# Allegro board MB1219_REVB_160112.brd (continued)
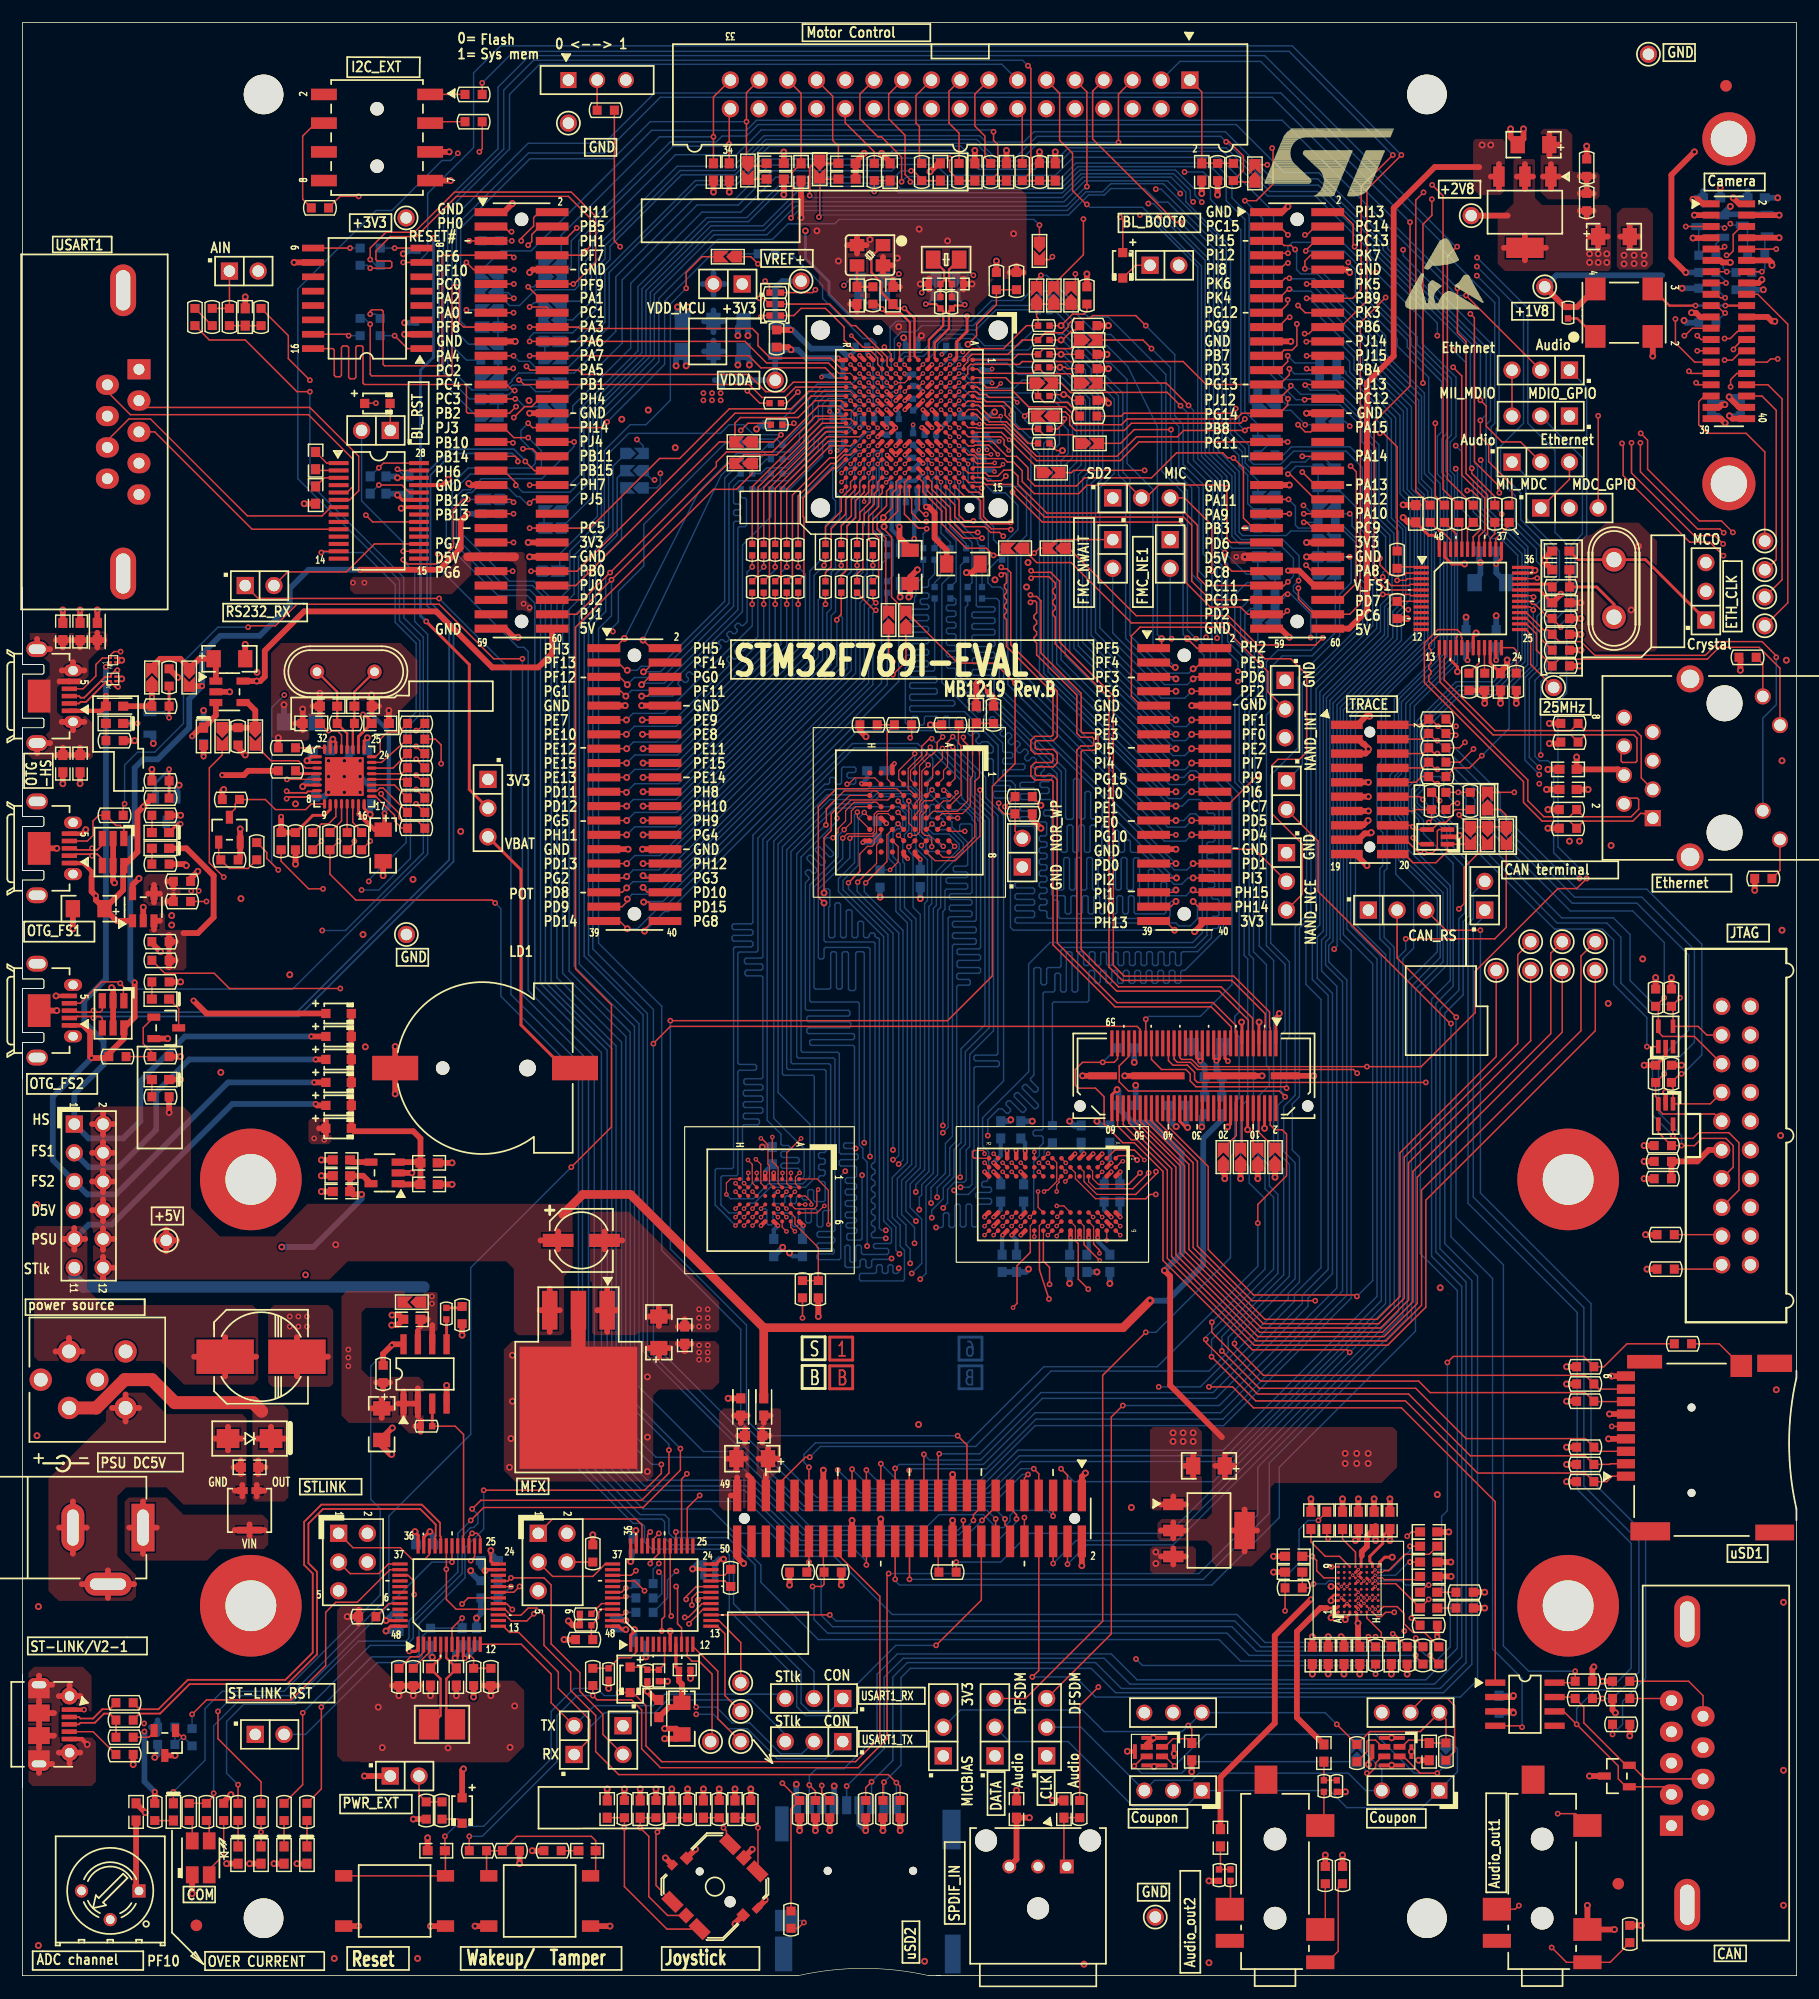
[diagram p0: board, top side]
## Routing (per net, layer and track width the routed paths; a pad name or vN(x,y) marks a point on that pad's centre or on a via; arc(x,y) is an arc through that point) (continued)
NETJP27_2: length 38.3
  TOP w0.127: U21.39 34.09,35.41 34.62,34.87 v1(34.62,33.71) ; JP27.2 35.05,16 R207.1 R208.2
  L4_SIG w0.102: JP27.2 43.31,17.65 45.47,19.81 45.47,26.26 40.92,30.81 37.52,30.81 v1(34.62,33.71)
NETL2_1: length 19.5
  TOP w0.508: SB21.2 v1(11.43,113.06) R82.2 L2.1 ; v1(17.65,106.17) 19.56,106.17 19.94,106.55 R101.2
  L4_SIG w0.508: v1(17.65,106.17) 16.64,106.17 11.43,111.38 v1(11.43,113.06)
NETLD1_2: length 2.3
  TOP w0.127: R216.2 LD1.2
NETLD2_2: length 2.3
  TOP w0.127: LD2.2 R215.2
NETLD3_2: length 2.3
  TOP w0.127: LD3.2 v1(21.08,12.7) R214.2
NETLD4_2: length 2.3
  TOP w0.127: R213.2 LD4.2
NETLD5_1: length 1.5
  TOP w0.127: LD5.1 R94.1
NETLD5_2: length 2.4
  TOP w0.254: LD5.2 v1(10.16,110.74)
  BOTTOM w0.254: T6.3 v1(10.16,110.74)
NETLD6_1: length 2.2
  TOP w0.508: LD6.1 v1(16,107.82)
  BOTTOM w0.508: v1(16,107.82) R288.1
NETLD6_2: length 21.9
  TOP w0.254: U8.10 27.2,103.12 26.69,102.62 25.67,102.62 24.14,101.09 R120.2
  TOP w0.508: v1(22.86,102.49) R119.2 R120.2 ; v1(14.99,109.6) 15.75,110.36 LD6.2 17.09,111.45 U7.3
  L4_SIG w0.508: v1(22.86,102.49) 22.48,102.49 15.37,109.6 v1(14.99,109.6)
NETLD7_1: length 1.5
  TOP w0.127: R116.1 LD7.1
NETLD7_2: length 2.7
  TOP w0.254: v1(13.97,101.85) 13.72,101.85 LD7.2
  BOTTOM w0.254: T7.3 13.84,102.02 13.97,101.9 v1(13.97,101.85)
NETLD8_1: length 1.4
  TOP w0.127: LD8.1 R127.1
NETLD8_2: length 16.8
  TOP w0.508: R131.2 12.95,92.05 ; R131.2 12.95,90.83 ; R131.2 13.55,91.44 ; 11.62,92.51 U11.3 12.14,93.29 ; R132.2 12.95,90.4 ; R132.2 13.55,89.79 ; R132.2 12.95,89.18 ; LD8.2 14.48,99.69 16.89,97.28 16.89,93.6 15.49,92.2 14.22,92.2
NETLD9_1: length 1.5
  TOP w0.127: LD9.1 R133.1
NETLD9_2: length 2.9
  TOP w0.127: T2.3 13.8,85.51 LD9.2
NETLD10_1: length 1.5
  TOP w0.127: LD10.1 R140.1
NETLD11_1: length 1.7
  TOP w0.127: R209.2 LD11.1
NETLD11_2: length 55.6
  TOP w0.127: LD11.2 v1(13.34,16.26)
  TOP w0.508: U17.8 32.72,55.84 v1(32.64,55.75) 31.88,54.99 R152.2
  BOTTOM w0.127: v1(13.34,16.26) 16.13,19.05 16.13,23.62 17.65,25.15 23.11,25.15 31.62,33.66 31.62,41.27 30.78,42.11 30.78,53.9 v1(32.64,55.75)
NETLD12_2: length 2.1
  TOP w0.127: R210.2 15,13.7 LD12.2
NETLD12_3: length 2.1
  TOP w0.127: LD12.3 16.5,13.73 R211.2
NETLD12_4: length 5.3
  TOP w0.127: LD12.4 16.5,9.39 17.78,10.67 R212.1
NETR4_2: length 2.7
  TOP w0.127: R4.2 SW1.2
NETR17_1: length 13.6
  TOP w0.127: v4(83.59,144.27) 84.35,145.03 84.35,146.02 86.11,147.78 R17.1 R18.1 ; v3(81.21,140.09) U4.E5
  L4_SIG w0.102: v3(81.21,140.09) 81.65,140.53 81.65,141.03 81.86,141.24 82.07,141.24 82.45,141.63 82.45,141.83 82.75,142.13 82.96,142.13 83.17,142.34 83.17,142.8 83.54,143.18 83.54,144.22 v4(83.59,144.27)
NETR19_1: length 13.1
  TOP w0.102: U4.K1 76.81,143.41 v1(76.2,144.02)
  TOP w0.127: v1(70.1,149.1) 69.85,148.84 R19.1
  L4_SIG w0.102: v1(76.2,144.02) 76.07,144.15 74.93,144.15 74.3,144.78 74.3,145.41 70.61,149.1 v1(70.1,149.1)
NETR24_1: length 12.6
  TOP w0.127: U4.K2 76.73,142.09 76.44,142.38 76.44,143.14 73.66,145.92 73.28,145.92 71.37,147.83 R24.1
NETR25_1: length 3.1
  TOP w0.203: X3.1 137.47,146.56 R25.1
NETR26_1: length 12.5
  TOP w0.127: U4.L2 75.61,142.49 75.61,143.08 75.04,143.66 73.64,143.66 72.64,144.65 72.64,145.8 70.99,147.45 68.83,147.45 68.2,146.81 R26.1
NETR27_1: length 2.2
  TOP w0.127: R28.2 R27.1
NETR27_2: length 174.7
  TOP w0.127: R27.2 16.51,144.65 19.68,144.65 24.26,140.08 v1(25.4,140.08)
  L4_SIG w0.102: v1(26.49,92.43) 27,91.92 27,86.66 27.18,86.49 27.18,64.14 29.72,61.59 29.72,42.67 31.75,40.64 31.75,33.27 30.73,32.26 30.73,29.46 25.53,24.26 25.53,12.83 23.75,11.05 16.76,11.05 10.61,4.9 10.47,4.9 10.41,4.95 RV1.2
  BOTTOM w0.127: v1(26.49,92.43) 28.55,92.43 35.43,99.31 35.43,118.36 33.71,120.09 33.71,123.65 25.4,131.95 v1(25.4,140.08)
NETR31_1: length 13
  TOP w0.127: U4.B1 83.21,143.13 83.97,143.89 86.74,143.89 88.77,145.92 R31.1 89.79,146.56 89.66,146.69 SB6.2 SB7.2 SB8.2
NETR34_1: length 89.2
  TOP w0.127: 129.41,103.12 SB25.2 130.68,103.12 131.19,102.62 SB28.2 SB27.2 SB26.2 127.03,102.59 v1(127.03,102.67) ; v1(99.31,145.92) 98.42,146.81 94.61,146.81 94.36,146.56 92.99,146.56 92.46,146.02 92.46,145.8 91.95,145.29 90.42,145.29 R34.1 88.39,144.65 87.12,143.38 83.95,143.38 83.58,143.01 83.58,142.73 83.21,142.37 U4.B2
  L4_SIG w0.102: v1(105.61,118.29) 108.71,115.19 108.71,110.62 111,108.33 113.54,108.33 114.05,107.82 118.87,107.82 122.05,104.65 123.83,104.65 125.11,103.37 125.59,103.37 126.39,104.17 127.05,104.17 127.36,103.86 127.36,103 v1(127.03,102.67)
  BOTTOM w0.127: v1(99.31,145.92) 101.88,143.36 101.88,137.95 102.62,137.21 102.62,133.65 104.39,131.88 104.39,125.73 105.61,124.51 v1(105.61,118.29)
NETR35_1: length 10.2
  TOP w0.127: SB9.2 92.71,143.89 90.3,143.89 R35.1 88.01,143.38 87.51,142.89 U4.A1
NETR37_1: length 10.4
  TOP w0.127: SB11.2 92.65,141.67 90.36,141.67 R37.1 89.25,141.7 84.82,141.7 84.43,142.09 U4.A2
NETR39_1: length 11.5
  TOP w0.127: R42.2 93.34,138.05 93.34,138.18 92.39,139.13 90.36,139.13 R39.1 89.79,140.59 SB10.2 87.41,140.84 86.93,141.32 84.04,141.32 U4.A3
NETR41_1: length 10.2
  TOP w0.127: R41.1 67.56,139.06 68.54,140.04 v1(68.55,140.04) ; U4.L3 v3(75.61,141.69)
  L4_SIG w0.102: v3(75.61,141.69) 75.61,141.65 75.23,141.27 71.15,141.27 69.93,140.06 68.57,140.06 v1(68.55,140.04)
NETR42_1: length 44.3
  TOP w0.127: v1(120.27,122.15) 122.66,122.15 122.76,122.04 U6.6 ; v1(107.26,138.58) 106.86,138.18 97.41,138.18 97.16,137.92 R42.1
  BOTTOM w0.127: v1(107.26,138.58) 107.19,138.51 107.19,136.58 108.43,135.33 108.43,134.06 108.84,133.65 111.23,133.65 112.39,134.82 117.02,134.82 118.47,133.38 118.47,128.3 119.38,127.38 119.38,123.95 120.14,123.19 120.14,122.28 v1(120.27,122.15)
NETR43_1: length 11.1
  TOP w0.127: v3(74.81,140.09) U4.M5 ; v1(68.2,137.29) 68.07,137.16 R43.1
  L4_SIG w0.102: v3(74.81,140.09) 75.18,139.71 75.18,138.33 74.75,137.9 73.46,137.9 72.69,137.13 68.35,137.13 v1(68.2,137.29)
NETR45_1: length 8
  TOP w0.127: U4.B7 83.63,138.51 84.38,138.51 85.47,137.41 87,137.41 88.9,135.51 R45.1
NETR46_1: length 3.3
  TOP w0.127: R46.1 125.22,127.76 125.48,127.76 126.27,126.97 U6.46
NETR47_1: length 2.8
  TOP w0.127: U6.45 126.77,127.49 R47.1
NETR47_2: length 16.4
  TOP w0.127: R47.2 124.92,130.86 v1(124.92,137.29)
  L4_SIG w0.102: v1(124.92,137.29) 117.6,137.29 v1(117.35,137.03)
  BOTTOM w0.127: v1(117.35,137.03) 116.94,137.44 SB55.2
NETR48_1: length 2.5
  TOP w0.127: R48.1 127.27,128.26 U6.44
NETR48_2: length 128
  TOP w0.127: v1(124.64,158.37) 125.6,157.4 125.6,131.44 R48.2
  L4_SIG w0.102: v1(124.64,158.37) 123.95,159.05 104.32,159.05 102.87,157.61 v1(102.36,157.61)
  BOTTOM w0.127: v1(102.36,157.61) 101.24,158.72 93.93,158.72 92.08,156.87 68.1,156.87 65.56,154.34 60.98,154.34 55.51,148.86 55.51,143.22 50.44,138.16 50.44,130.84 SB69.2
NETR49_1: length 2.6
  TOP w0.127: U6.43 127.76,126.15 127.76,128.02 R49.1
NETR49_2: length 150.1
  TOP w0.127: R49.2 125.98,132.33 125.98,152.04 v1(126.85,152.91)
  BOTTOM w0.127: SB54.2 40.13,137.92 36.83,141.22 36.83,156.37 42.04,161.57 42.04,167 44.83,169.8 109.83,169.8 126.72,152.91 v1(126.85,152.91)
NETR50_1: length 2.6
  TOP w0.127: U6.39 129.77,127.1 130.18,127.51 R50.1
NETR50_2: length 114.5
  TOP w0.127: v1(128.14,133.3) 128.14,132.84 130.18,130.81 R50.2
  BOTTOM w0.127: v1(128.14,133.3) 128.02,133.43 128.02,143.87 119.58,152.3 119.58,152.7 114.5,157.78 110.29,157.78 106.42,161.65 92.46,161.65 91.59,160.78 89.97,160.78 89.26,160.07 84.68,160.07 82.96,161.8 66.04,161.8 62.99,158.75 59.49,158.75 51.49,150.75 51.49,146.23 48.26,143 SB48.1
NETR51_1: length 2.9
  TOP w0.127: R51.1 131.44,128.27 130.27,127.09 U6.38
NETR51_2: length 112.7
  TOP w0.127: R51.2 131.7,130.3 131.7,131.83 129.64,133.89 129.64,135.35 128.91,136.08 v1(128.91,137.54)
  BOTTOM w0.127: v1(128.91,137.54) 129.41,138.05 129.41,144.02 120.7,152.73 120.7,153.37 114.63,159.44 111.58,159.44 107.31,163.7 65.02,163.7 64.01,162.69 61.85,162.69 61.34,162.18 57.28,162.18 48.51,153.42 48.51,151.13 SB36.1
NETR52_1: length 16.8
  TOP w0.127: U4.P8 73.23,137.67 70.51,137.67 64.52,131.67 R52.1
NETR53_1: length 15.4
  TOP w0.127: R53.1 65.53,131.59 70.85,136.91 71.79,136.91 71.8,136.92 73.18,136.92 U4.P9
NETR54_1: length 14.8
  TOP w0.127: R54.1 66.55,131.53 71.11,136.09 74.01,136.09 U4.N9
NETR55_1: length 12.6
  TOP w0.127: U4.P10 73.21,135.29 71.38,135.29 67.56,131.47 R55.1
NETR56_1: length 10.9
  TOP w0.127: U4.P11 73.22,134.49 72.64,134.49 71.88,133.73 71.45,133.73 68.58,130.86 R56.1
NETR57_2: length 7
  TOP w0.127: R57.2 70.99,128.12 72.39,129.51 72.39,130.68 73.21,131.5 73.21,132.09 U4.P14
NETR58_2: length 6.7
  TOP w0.127: U4.N14 74.02,132.09 74.02,131.29 73.28,130.56 73.28,129.1 72.39,128.21 R58.2
NETR59_2: length 5.7
  TOP w0.127: R59.2 73.79,128.52 74.04,128.78 74.04,129.41 74.93,130.3 74.93,130.71 75.06,130.84 75.06,131.44 75.21,131.6 U4.M15
NETR60_1: length 5.7
  TOP w0.127: U4.L15 76.01,131.13 75.69,130.81 75.69,129.92 74.8,129.03 74.8,127 R60.1
NETR61_1: length 2.2
  TOP w0.127: R61.1 121.67,124.59 123.62,124.59 U6.1
NETR61_2: length 115.5
  TOP w0.127: R61.2 121.54,135.2 120.35,136.4 v1(120.02,136.4)
  BOTTOM w0.127: SB52.2 53.01,144.37 53.01,149.96 59.64,156.59 63.3,156.59 66.32,159.61 76.86,159.61 77.42,160.17 80.75,160.17 81.71,159.21 91.31,159.21 92.91,160.81 105.77,160.81 110.62,155.96 110.62,142.09 111.56,141.15 113.81,141.15 114.25,140.72 116.59,140.72 120.02,137.29 v1(120.02,136.4)
NETR62_1: length 18.6
  TOP w0.127: U4.R8 70.69,137.29 65.02,131.62 65.02,123.83 R62.1
NETR63_1: length 17.3
  TOP w0.127: U4.R9 72.48,136.49 72.44,136.53 71,136.53 66.04,131.56 66.04,123.83 R63.1
NETR64_1: length 15.9
  TOP w0.127: R64.1 67.06,123.83 67.06,131.5 71.24,135.69 U4.R10
NETR65_1: length 14.2
  TOP w0.127: R65.1 68.07,123.83 68.07,130.94 71.37,134.24 72.01,134.24 72.66,134.89 U4.R11
NETR66_1: length 12.8
  TOP w0.127: U4.R12 72.07,133.35 71.68,133.35 69.01,130.68 69.01,129.03 69.09,128.96 69.09,123.83 R66.1
NETR67_2: length 9.5
  TOP w0.127: U4.P15 73.61,131.39 72.77,130.56 72.77,129.24 71.5,127.97 71.5,124.59 70.99,124.08 R67.2
NETR68_2: length 9.2
  TOP w0.127: R68.2 72.39,123.83 72.9,124.33 72.9,128.18 73.66,128.94 73.66,130.44 74.41,131.19 U4.N15
NETR69_1: length 10.1
  TOP w0.127: U4.L14 75.62,132.09 75.62,131.37 75.31,131.06 75.31,130.14 74.42,129.26 74.42,128.62 74.3,128.49 74.3,124.46 73.79,123.95 R69.1
NETR70_1: length 9.5
  TOP w0.127: R70.1 75.69,123.83 75.69,127.13 75.18,127.64 75.18,128.78 76.39,129.98 76.39,131.27 U4.K15
NETR71_1: length 3
  TOP w0.254: R71.1 135,123.06 132.39,123.06 U6.33
NETR72_2: length 130.5
  TOP w0.127: U6.7 121.54,121.54 R72.2 122.28,120.8 v1(122.53,120.8) ; U22.26 58.76,41.37 v1(59.87,42.47)
  L4_SIG w0.102: v1(115.98,90.78) 115.98,90.58 111.68,86.28 111.68,83.74 110.59,82.65 110.59,72.29 110.03,71.73 110.03,62.38 105.97,58.32 98.93,58.32 86.33,45.72 82.3,45.72 80.42,43.84 61.2,43.84 59.87,42.5 v1(59.87,42.47)
  BOTTOM w0.127: v1(115.98,90.78) 116.23,91.03 116.23,112.39 121.92,118.08 121.92,120.4 122.33,120.8 v1(122.53,120.8)
NETR75_1: length 4.4
  TOP w0.127: U6.27 132.97,120.04 134.24,118.77 134.24,118.24 R75.1
NETR78_2: length 4.7
  TOP w0.254: R78.2 R82.1 v1(12.95,111.25)
  BOTTOM w0.254: T6.1 12.51,111.69 v1(12.95,111.25)
NETR79_1: length 2.6
  TOP w0.127: U6.20 128.77,116.07 R79.1
NETR80_1: length 2.3
  TOP w0.127: R80.1 129.27,115.21 U6.21
NETR81_2: length 3.4
  TOP w0.127: U6.24 131.83,117.44 132.08,117.19 R81.2
NETR86_1: length 5.1
  TOP w0.127: U8.24 31.21,107.8 31.62,108.2 31.62,109.35 32.26,109.98 33.27,109.98 R86.1
NETR88_1: length 7.2
  TOP w0.102: U9.F2 76.45,105.83 76.45,107.95
  TOP w0.127: 76.45,107.95 76.45,109.98 R89.1 R88.1
NETR92_2: length 5.8
  TOP w0.508: SB23.2 R92.2 SB24.2 20.57,111.89 19.87,112.59 U7.4
NETR93_1: length 3.9
  TOP w0.127: R93.1 31.73,107.29 U8.23
NETR96_2: length 2.6
  TOP w0.127: R96.2 26.58,108.58 U8.32
NETR98_1: length 3.7
  TOP w0.127: R98.1 32.75,106.8 U8.22
NETR100_1: length 3.4
  TOP w0.127: R100.1 33.52,106.29 U8.21
NETR101_1: length 2
  TOP w0.254: U8.4 24.39,106.29 R101.1
NETR103_2: length 5.5
  TOP w0.254: v1(12.95,106.68) R103.2 R106.2
  BOTTOM w0.254: T7.1 11.75,105.48 v1(12.95,106.68)
NETR104_1: length 3.3
  TOP w0.127: U8.20 33.78,105.8 R104.1
NETR105_1: length 74.3
  TOP w0.102: v3(63.79,67.08) U16.G5 ; v5(82.68,102.37) U9.A5
  TOP w0.127: v1(86.87,103.38) R105.1
  L4_SIG w0.102: v1(86.87,103.38) 86.48,102.99 83.31,102.99 82.68,102.37 v5(82.68,102.37)
  BOTTOM w0.127: v3(63.79,67.08) 63.42,67.45 62.47,67.45 61.75,68.17 61.75,70.61 61.87,70.74 63.12,70.74 63.25,70.87 63.25,79.95 63.37,80.07 64.77,80.07 64.9,80.2 64.9,80.45 64.77,80.58 63.37,80.58 63.25,80.71 63.25,90.4 63.37,90.53 64.89,90.53 65.02,90.65 65.02,100.61 73.38,108.97 79.15,108.97 80.48,107.63 80.48,106.14 80,105.66 80,104.7 82.34,102.37 v5(82.68,102.37)
NETR107_1: length 3.6
  TOP w0.127: U8.19 32.88,105.29 R107.1
NETR108_2: length 10
  TOP w0.127: U8.9 25.53,103.62 25.03,103.12 22.35,103.12 21.46,104.01 R108.2 18.8,103.63 18.8,103.21 18.29,102.7 T1.3
NETR113_1: length 4.2
  TOP w0.127: R113.1 31.88,105.03 31.58,105.03 31.34,104.8 U8.18
NETR117_1: length 4.6
  TOP w0.127: U8.17 31.21,104.29 32.89,102.62 32.89,102.11 33.53,101.47 R117.1
NETR119_1: length 102.2
  TOP w0.127: v1(26.57,96.11) 25.3,96.11 22.86,98.55 R119.1 ; U22.29 57.27,31.94 57.35,31.85 v1(57.35,31.8)
  L4_SIG w0.102: v1(57.35,31.8) 56.06,31.8 53.04,28.78 45.11,28.78 39.75,34.14 36.86,34.14 34.09,36.91 34.09,43.81 32.05,45.85 32.05,63.42 28.8,66.67 28.8,93.5 26.57,95.73 v1(26.57,96.11)
NETR121_1: length 3.8
  TOP w0.127: U8.11 27.7,102.5 27.05,101.85 26.42,101.85 R121.1
NETR122_1: length 3
  TOP w0.127: U8.12 28.2,102.11 R122.1
NETR123_1: length 2.5
  TOP w0.127: R123.1 28.7,101.1 U8.13
NETR124_1: length 2.9
  TOP w0.127: U8.14 29.2,101.99 29.97,101.22 R124.1
NETR125_1: length 5.5
  TOP w0.127: T1.1 17.34,98.87 R126.2 18.29,97.92 19.94,97.92 R125.1
NETR129_2: length 5
  TOP w0.508: 12.74,95 13.34,95 13.34,95.61 ; 11.1,95.69 U11.4 ; U11.4 12.14,95.69 ; U11.4 11.62,96.46 ; U11.4 11.62,94.91 ; 13.34,96.16 13.34,96.77 12.74,96.77
NETR130_2: length 109.3
  TOP w0.127: R130.2 v1(16.26,95) ; v1(58.55,31.69) 58.86,31.69 60.08,32.9 U22.17
  L4_SIG w0.102: v1(58.55,31.69) 58.23,31.37 56.13,31.37 53.21,28.45 45.06,28.45 39.6,33.91 36.69,33.91 33.76,36.84 33.76,43.69 31.72,45.72 31.72,63.36 28.52,66.56 28.52,93.01 22.73,98.81 18.54,98.81 16.26,96.52 v1(16.26,95)
NETR132_1: length 103.2
  TOP w0.127: v1(58.93,31.11) 58.93,31.17 60.17,32.41 U22.16 ; v1(28.09,87.3) 18.29,87.3 16.94,88.65 12.57,88.65 R132.1
  L4_SIG w0.102: v1(28.09,87.3) 28.22,87.17 28.22,66.45 31.39,63.27 31.39,45.47 33.43,43.43 33.43,36.81 36.61,33.63 39.47,33.63 44.93,28.17 53.44,28.17 56.39,31.11 v1(58.93,31.11)
NETR136_2: length 6.5
  TOP w0.127: R136.2 R137.2 11.43,81.66 10.67,82.42 10.67,83.84 T2.1
NETR146_1: length 8.4
  TOP w0.102: U16.B5 68.29,67.08 68.29,66.46 70.36,64.39 70.36,64.01
  TOP w0.127: R146.1 R147.1 70.36,64.01
NETR146_2: length 113
  TOP w0.127: SB20.2 78.11,116.2 v1(76.96,115.06) ; R146.2 v1(68.96,58.17)
  L4_SIG w0.102: v1(68.96,58.17) 66.04,58.17 54.23,69.98 54.23,79.38 50.29,83.31 50.29,116.2 52.96,118.87 55.37,118.87 55.5,118.75 55.5,115.95 55.63,115.82 55.88,115.82 56.01,115.95 56.01,118.09 56.13,118.22 56.39,118.22 56.52,118.09 56.52,115.95 56.64,115.82 56.9,115.82 57.02,115.95 57.02,117.35 57.15,117.47 57.4,117.47 57.53,117.35 57.53,115.95 57.66,115.82 57.91,115.82 58.04,115.95 58.04,116.33 58.17,116.46 75.56,116.46 v1(76.96,115.06)
NETR148_1: length 1.4
  TOP w0.254: R148.1 38.73,59.05 R149.2
NETR148_2: length 2.2
  TOP w0.254: 37.47,58.04 37.49,58.01 U17.5
NETR150_1: length 123
  TOP w0.127: U22.28 v1(57.76,39.24) ; R150.1 141.86,55.88 139.83,53.85 R151.1 138.02,54.76 126.52,54.76 v1(125.98,54.23)
  BOTTOM w0.127: v1(57.76,39.24) 62.36,39.24 65.28,36.32 65.28,34.8 70.36,29.72 105.79,29.72 107.7,27.81 124.97,27.81 126.24,29.08 126.24,33.53 125.48,34.29 125.48,40.61 125.98,41.12 v1(125.98,54.23)
NETR163_1: length 1.9
  TOP w0.127: R163.1 62.12,34.9 U22.21
NETR163_2: length 2
  TOP w0.127: U22.22 62.08,35.41 R163.2
NETR167_1: length 2.2
  TOP w0.127: R167.1 51.19,32.9 U22.44
NETR168_2: length 2.6
  TOP w0.127: U21.44 32.38,32.9 31.24,31.76 R168.2
NETR169_1: length 4.1
  TOP w0.127: R171.1 50.29,29.84 R169.1 50.93,31.62 50.93,32.13 51.2,32.41 U22.45
NETR170_1: length 8
  TOP w0.089: U20.D5 v2(118.11,33.91) 118.11,33.91 117.86,33.66 U20.D4
  TOP w0.127: v1(122.81,31.62) 122.94,31.62 R170.1
  L4_SIG w0.089: 120.4,33.2 119.84,33.76 119.46,33.76 119.3,33.91 v2(118.11,33.91)
  L4_SIG w0.102: v1(122.81,31.62) 120.85,31.62 120.64,31.83 120.47,32 120.47,33.12 120.4,33.2
NETR172_1: length 4.7
  TOP w0.089: v2(118.61,32.91) U20.E3
  TOP w0.127: v1(119,29.97) 119,29.72 R172.1
  L4_SIG w0.089: 118.61,31.75 118.61,31.83 118.44,32 118.44,32.74 v2(118.61,32.91)
  L4_SIG w0.102: v1(119,29.97) 118.61,30.36 118.61,31.75
NETR173_2: length 5.3
  TOP w0.089: U20.G2 v2(119.61,32.41)
  TOP w0.127: R173.2 121.28,30.23 v1(121.16,30.23)
  L4_SIG w0.089: 119.61,31.75 v2(119.61,32.41)
  L4_SIG w0.102: v1(121.16,30.23) 120.52,30.23 119.61,31.14 119.61,31.75
NETR174_2: length 7.7
  TOP w0.089: U20.F3 v2(119.11,33.41)
  TOP w0.127: R174.2 123.19,29.72 v1(123.19,29.84)
  L4_SIG w0.089: v2(119.11,33.41) 119.9,32.62 119.9,31.75
  L4_SIG w0.102: 119.9,31.75 119.9,31.36 120.52,30.73 121.28,30.73 122.17,29.84 v1(123.19,29.84)
NETR175_2: length 7.6
  TOP w0.127: U20.H1 120.34,32.64 121.54,32.64 122.17,32 122.17,31.11 122.94,30.35 123.95,30.35 R175.2
NETR176_2: length 5.1
  TOP w0.127: U22.2 54.27,28.61 53.76,28.11 52.74,28.11 R176.2 R182.1
NETR178_2: length 3.5
  TOP w0.127: R178.2 33.29,27.18 34.3,28.19 35.05,28.19 35.47,28.61 U21.2
NETR179_2: length 2.7
  TOP w0.127: R179.2 35.97,28.6 U21.3
NETR190_2: length 2.2
  TOP w0.127: R190.2 11.18,21.08 11.62,21.53 T3.2
NETR192_1: length 4
  TOP w0.127: R192.1 118.87,19.81 118.87,20.7 119,20.83 119.63,20.83 120.23,20.24 U25.2
NETR200_1: length 41.1
  TOP w0.127: v1(67.18,17.02) R200.1 67.94,14.73 R224.1 ; v1(55.5,36.45) 55.5,36.58 56.27,37.34 U22.31
  L4_SIG w0.102: v1(67.18,17.02) 65.79,18.41 65.79,30.23 61.09,34.92 56.39,34.92 55.5,35.81 55.5,36.44 v1(55.5,36.45)
NETR213_1: length 155.6
  TOP w0.127: v1(58.17,46.61) 58.17,44.7 54.86,41.4 40.77,41.4 v1(39.62,40.26) ; R213.1 v1(19.05,16.89)
  BOTTOM w0.127: v1(19.05,16.89) 18.03,17.91 18.03,22.48 19.56,24 24.13,24 29.72,29.59 33.91,29.59 34.16,29.84 34.16,31.37 38.48,35.69 38.48,39.12 v1(39.62,40.26) ; v1(58.17,46.61) 54.1,50.67 54.1,83.95 48.77,89.28 48.77,120.27 49.66,121.16 49.66,125.09 52.2,127.64 52.2,133.48 SB59.2
NETR214_1: length 146.4
  TOP w0.127: SB15.2 64.52,132.84 63.12,131.44 61.09,131.44 48.9,119.25 48.9,89.03 52.07,85.85 52.07,75.06 v1(48.51,71.5) ; v1(17.27,23.37) 17.27,20.95 21.08,17.14 R214.1
  BOTTOM w0.127: v1(17.27,23.37) 18.67,24.77 23.62,24.77 32.38,33.53 32.38,40.64 39.62,47.88 39.62,62.61 v1(48.51,71.5)
NETR215_1: length 168.8
  TOP w0.127: R215.1 24.77,16.89 v1(24.77,23.24) ; SB13.2 66.42,135.64 v1(67.06,136.27) ; v1(39.75,41.27) 40.51,42.04 54.74,42.04 57.15,44.45 v1(57.15,46.48)
  BOTTOM w0.127: v1(24.77,23.24) 30.73,29.21 33.91,29.21 34.54,29.84 34.54,31.24 38.86,35.56 38.86,38.86 39.62,39.62 39.88,39.62 40.26,40.01 40.26,40.77 v1(39.75,41.27) ; v1(57.15,46.48) 57.15,46.99 53.72,50.42 53.72,83.44 48.32,88.84 48.32,120.84 49.15,121.67 49.15,125.48 51.82,128.14 51.82,134.62 53.59,136.4 61.72,136.4 62.48,137.16 63.75,137.16 64.64,136.27 v1(67.06,136.27)
NETR216_1: length 203.1
  TOP w0.127: R216.1 26.42,16.51 v1(26.42,23.75) ; v1(56.48,45.21) 56.48,44.41 54.99,42.93 v1(40.77,42.93) ; SB4.2 v1(89.92,154.81)
  BOTTOM w0.127: v1(56.48,45.21) 55.63,45.21 52.96,47.88 52.96,82.55 47.24,88.27 47.24,121.54 48.39,122.68 48.39,125.98 51.18,128.78 51.18,137.67 56.26,142.75 56.26,148.34 61.47,153.54 66.29,153.54 67.68,154.93 71.82,154.93 72.21,155.32 89.41,155.32 v1(89.92,154.81) ; v1(40.77,42.93) 40.77,39.5 39.12,37.85 39.12,35.18 35.05,31.11 35.05,28.45 34.8,28.19 30.86,28.19 v1(26.42,23.75)
NETR228_2: length 20
  TOP w0.102: U4.H3 77.99,140.87 v3(77.22,140.87)
  BOTTOM w0.127: R228.2 67.94,152.27 70.74,149.48 70.74,148.34 74.29,144.78 75.07,144.78 75.44,144.41 75.44,143 75.18,142.75 75.18,141.59 75.46,141.32 75.75,141.32 76.04,141.03 76.04,140.73 76.29,140.49 76.94,140.49 77.22,140.77 v3(77.22,140.87)
NETR231_1: length 3.7
  TOP w0.127: U3.8 v1(32.89,152.78)
  BOTTOM w0.127: R231.1 v1(32.89,152.78)
NETR232_2: length 4.2
  TOP w0.127: v1(28.96,152.78) U3.9
  BOTTOM w0.127: R232.2 v1(28.96,152.78)
NETR237_1: length 18.2
  TOP w0.127: v3(76.41,141.69) U4.K3
  BOTTOM w0.127: v3(76.41,141.69) 76.81,142.09 76.81,142.72 77.09,143 77.09,144.75 77.39,145.06 77.39,145.07 77.69,145.36 78.94,145.36 79.5,145.92 84.05,145.92 85.83,147.7 89.03,147.7 R237.1
NETR238_1: length 15.7
  TOP w0.127: v3(77.21,142.49) U4.J2
  BOTTOM w0.127: v3(77.21,142.49) 77.47,142.75 77.47,143.1 77.93,143.56 79.46,143.56 80.14,144.23 80.14,144.78 80.9,145.54 84.3,145.54 86.08,147.32 89.66,147.32 R238.1
NETR240_1: length 15.4
  TOP w0.127: U4.H2 78.36,142.09 v3(77.99,142.46)
  BOTTOM w0.127: R240.1 88.01,144.15 85.06,144.15 84.05,145.16 81.15,145.16 80.52,144.53 80.52,144.08 79.65,143.21 78.05,143.21 77.85,143 77.85,142.6 v3(77.99,142.46)
NETR241_1: length 4.1
  TOP w0.127: v1(32.89,145.03) 34.04,143.89 U3.1
  BOTTOM w0.127: v1(32.89,145.03) R241.1
NETR242_2: length 4.2
  TOP w0.127: v1(28.83,145.03) 28.7,145.16 U3.15
  BOTTOM w0.127: R242.2 v1(28.83,145.03)
NETR243_1: length 12.8
  TOP w0.127: v3(79.61,142.49) U4.G2
  BOTTOM w0.127: R243.1 88.9,143.76 84.84,143.76 83.82,144.78 81.41,144.78 80.9,144.27 80.9,143.79 79.61,142.5 v3(79.61,142.49)
NETR244_1: length 9.5
  TOP w0.127: v3(81.21,142.49) U4.E2
  BOTTOM w0.127: R244.1 89.78,143.38 83.71,143.38 83.52,143.18 82.47,143.18 82.19,142.9 81.86,142.9 81.45,142.49 v3(81.21,142.49)
NETR245_2: length 145.6
  TOP w0.127: U6.5 120.66,122.54 119.51,123.7 119.51,137.41 122.68,140.59 v1(122.68,155.07)
  BOTTOM w0.127: v1(122.68,155.07) 111.25,166.5 55.88,166.5 51.44,162.05 44.7,162.05 37.97,155.32 37.97,144.15 39.24,142.88 R245.2
NETR247_1: length 8.9
  TOP w0.127: v3(82.01,142.49) U4.D2
  BOTTOM w0.127: v3(82.01,142.49) 82.24,142.49 82.63,142.88 83.72,142.88 83.84,143 87.26,143 88.01,142.24 R247.1
NETR248_2: length 22.8
  TOP w0.127: U6.3 122.45,123.54 122.3,123.39 v1(121.54,123.39)
  BOTTOM w0.127: R248.2 116.71,141.35 120.65,137.41 120.65,128.73 121.67,127.71 121.67,123.52 v1(121.54,123.39)
NETR249_2: length 28.5
  TOP w0.127: U6.4 122.68,123.04 122.58,122.94 121.03,122.94 v1(120.27,123.7)
  BOTTOM w0.127: v1(120.27,123.7) 120.27,124.08 120.52,124.33 120.52,127.25 119.25,128.52 119.25,134.82 118.43,135.65 118.43,136.97 116.48,138.91 111.77,138.91 111.23,139.45 109.84,139.45 109.22,140.07 R249.2
NETR250_2: length 9.2
  TOP w0.127: v3(82.01,140.89) U4.D4
  BOTTOM w0.127: v3(82.01,140.89) 82.4,141.27 83.13,141.27 84.44,139.97 89.52,139.97 R250.2
NETR251_2: length 10.2
  TOP w0.127: v3(81.21,140.89) U4.E4
  BOTTOM w0.127: v3(81.21,140.89) 81.63,140.46 83.06,140.46 83.93,139.59 88.05,139.59 89.33,138.3 R251.2
NETR252_2: length 10.7
  TOP w0.102: U4.D5 v3(82.01,140.09)
  TOP w0.127: v1(88.61,137.92) 88.99,138.3 89.41,138.3
  BOTTOM w0.127: v3(82.01,140.09) 82.4,139.7 82.93,139.7 83.43,139.2 87.32,139.2 88.6,137.92 v1(88.61,137.92) 88.61,137.58 89.03,137.16 R252.2
NETR253_2: length 11.8
  TOP w0.127: v3(75.61,140.09) U4.L5
  BOTTOM w0.127: v3(75.61,140.09) 75.61,140.34 75.23,140.72 75.23,141.02 74.96,141.3 73.86,141.3 73.3,140.74 70.26,140.74 67.31,137.79 R253.2
NETR254_2: length 10.2
  TOP w0.127: v3(82.01,139.29) U4.D6
  BOTTOM w0.127: v3(82.01,139.29) 82.38,138.91 83.08,138.91 83.17,138.82 87.16,138.82 87.77,138.21 87.77,137.3 89.06,136.02 R254.2
NETR255_2: length 17.3
  TOP w0.127: U4.J4 77.61,140.45 v3(77.24,140.08)
  BOTTOM w0.127: SB58.1 65.02,135.89 66.67,135.89 R255.2 69.47,137.67 69.47,139.32 70.64,140.49 74.96,140.49 75.18,140.26 75.18,139.95 75.44,139.7 76.56,139.7 76.94,140.08 v3(77.24,140.08)
NETR256_2: length 22.6
  TOP w0.127: v1(120.03,125.35) 120.03,124.75 120.93,123.85 122.15,123.85 122.34,124.04 U6.2
  BOTTOM w0.127: v1(120.03,125.35) 119.89,125.49 119.89,127.38 118.87,128.4 118.87,133.71 117.37,135.2 112.19,135.2 111.48,134.49 R256.2
NETR257_1: length 11.4
  TOP w0.127: v3(74.01,139.29) U4.N6
  BOTTOM w0.127: R257.1 67.79,134.11 69.09,135.41 69.09,136.17 70.36,137.44 70.36,138.81 70.36,139.12 71.09,139.85 73.2,139.85 73.77,139.29 v3(74.01,139.29)
NETR258_2: length 21
  TOP w0.127: v3(77.21,141.69) U4.J3
  BOTTOM w0.127: R258.2 65.15,134.11 65.79,134.75 67.82,134.75 68.69,135.62 68.69,136.39 69.86,137.55 69.86,139.17 70.93,140.23 73.28,140.23 73.81,139.7 74.98,139.7 75.21,139.47 75.21,139.14 75.46,138.89 76.63,138.89 76.83,139.09 76.83,139.52 77.03,139.71 77.43,139.71 77.62,139.9 77.62,141.27 v3(77.21,141.69)
